# Altium PCB Fastino-DIOT.PCBDOC (part 1 of 22) (continued)
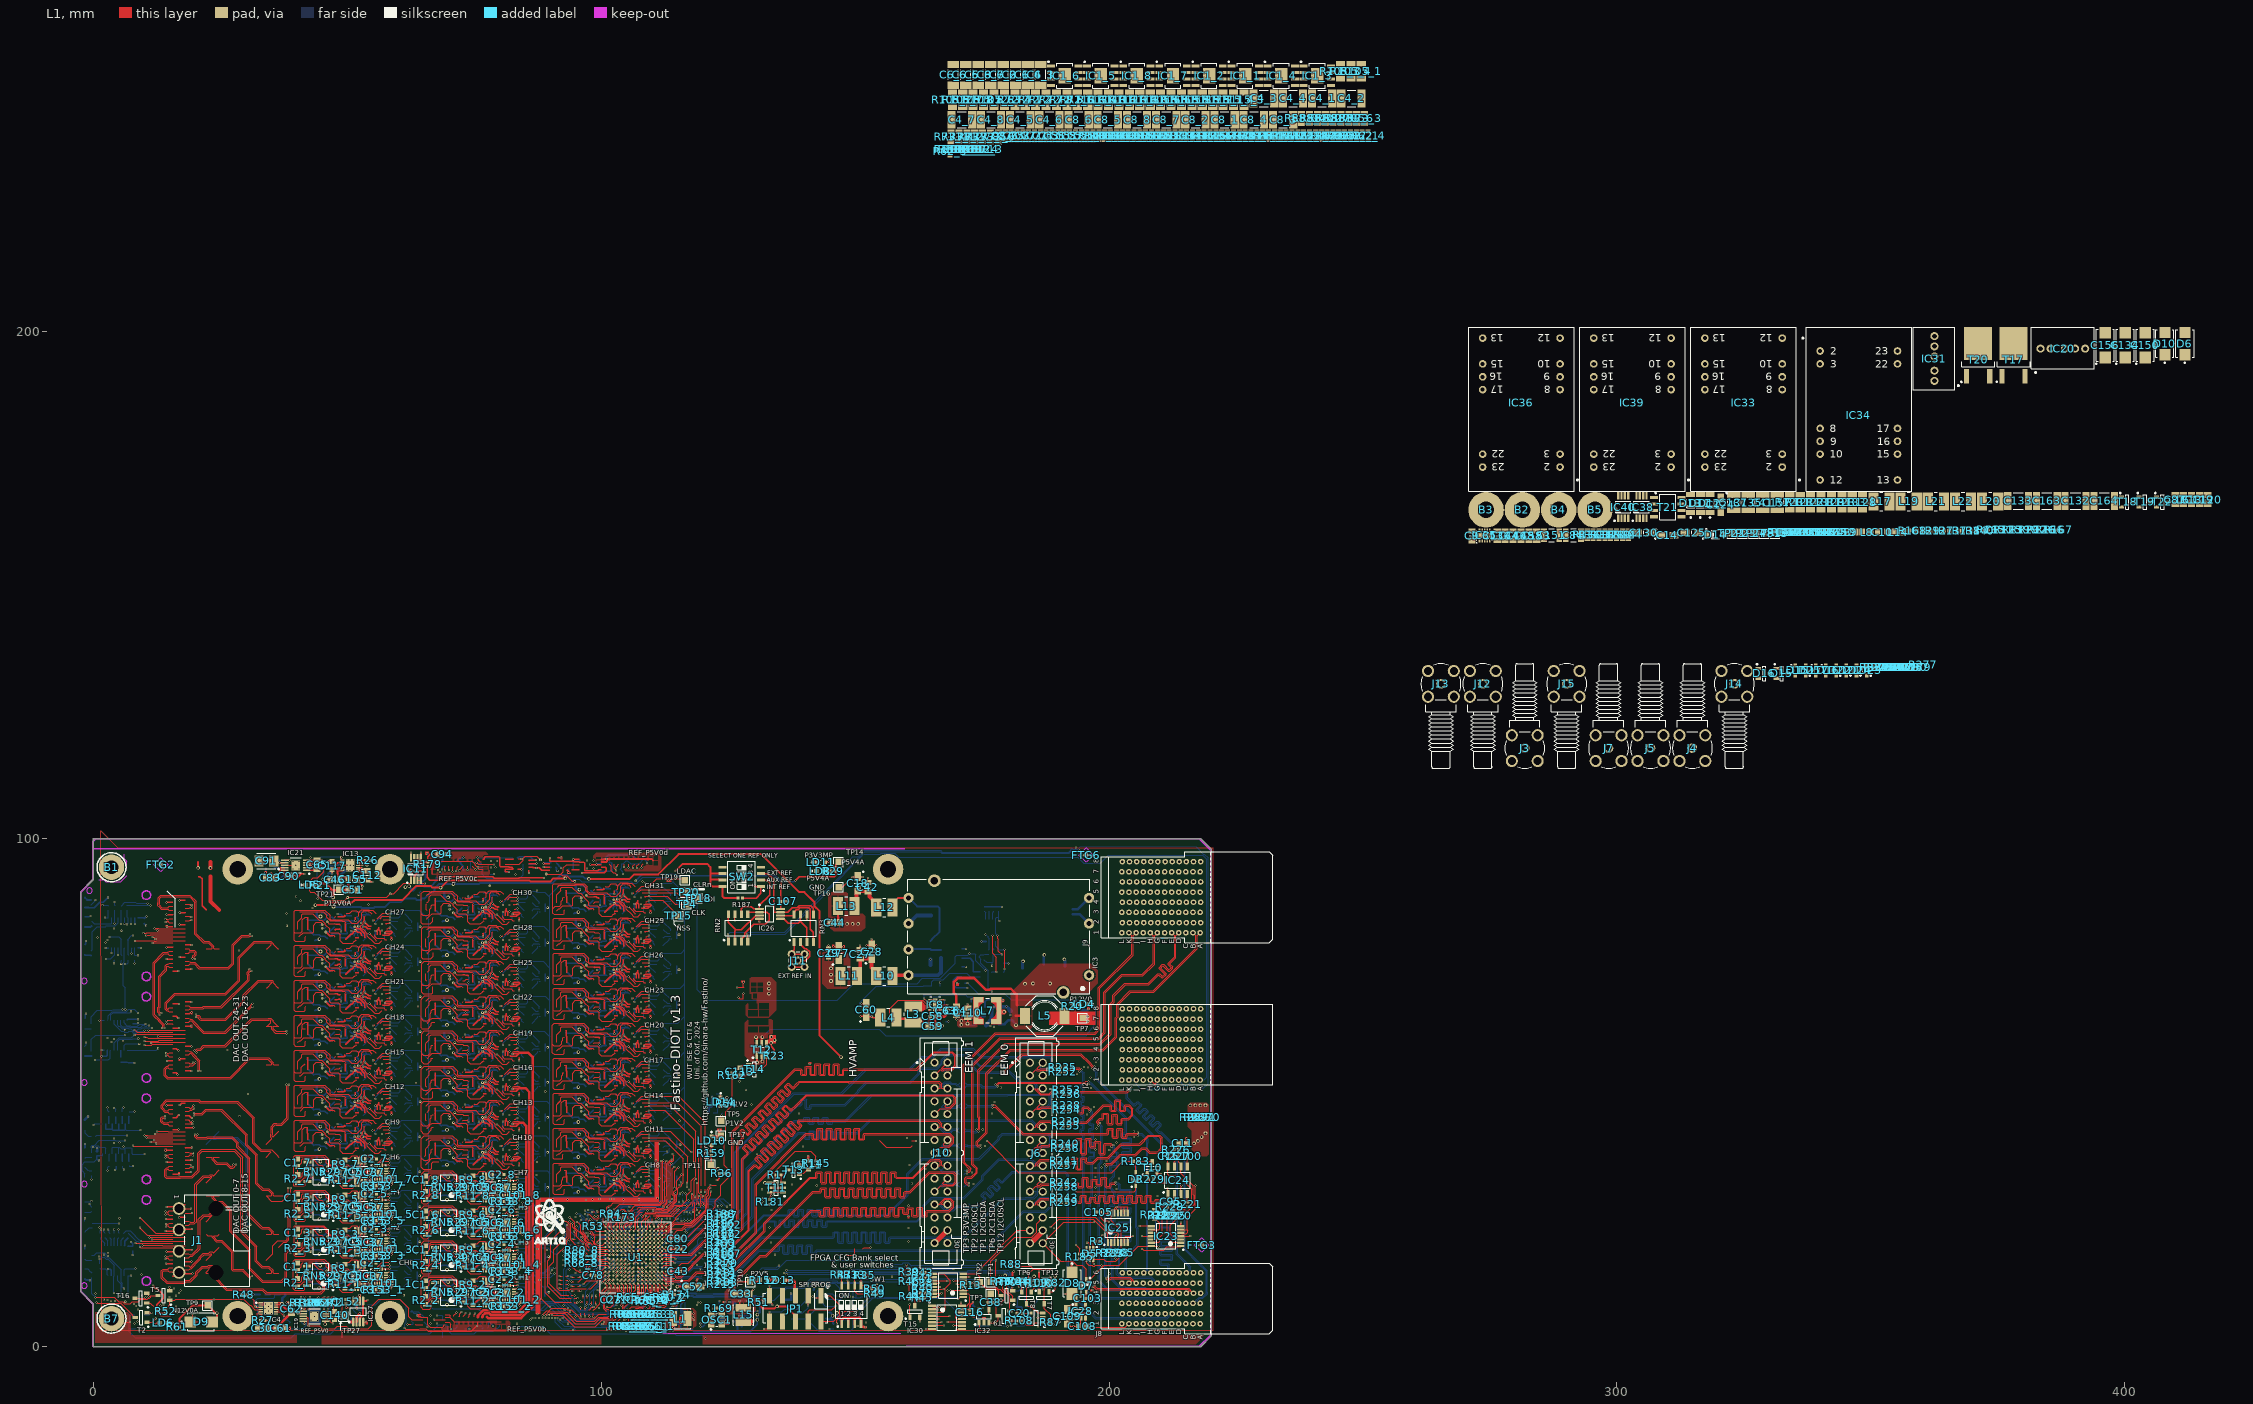
[diagram p0: L1 view]
## Classes and differential pairs
channel class HV_Amp_Discrete: U_HV_Amp_Discrete0 U_HV_Amp_Discrete1 U_HV_Amp_Discrete2 U_HV_Amp_Discrete3 U_HV_Amp_Discrete4 U_HV_Amp_Discrete5 U_HV_Amp_Discrete6 U_HV_Amp_Discrete7
net class OUT_CTRLn[7..0]: OUT_CTRLn0 OUT_CTRLn1 OUT_CTRLn2 OUT_CTRLn3 OUT_CTRLn4 OUT_CTRLn5 OUT_CTRLn6 OUT_CTRLn7
net class HV: HV_NEG HV_POS NetC4_1_2 NetC4_2_2 NetC4_3_2 NetC4_4_2 NetC4_5_2 NetC4_6_2 NetC4_7_2 NetC4_8_2 NetC6_1_1 NetC6_1_2 NetC6_2_1 NetC6_2_2 NetC6_3_1 NetC6_3_2 NetC6_4_1 NetC6_4_2 NetC6_5_1 NetC6_5_2 NetC6_6_1 NetC6_6_2 NetC6_7_1 NetC6_7_2 NetC6_8_1 NetC6_8_2 NetC8_1_2 NetC8_2_2 NetC8_3_2 NetC8_4_2 NetC8_5_2 NetC8_6_2 NetC8_7_2 NetC8_8_2 NetC125_1 NetC127_1 NetC136_1 NetC153_1 NetC158_1 NetC161_2 NetIC2_1_7 NetIC2_1_8 NetIC2_2_7 NetIC2_2_8 NetIC2_3_7 NetIC2_3_8 NetIC2_4_7 NetIC2_4_8 NetIC2_5_7 NetIC2_5_8 NetIC2_6_7 NetIC2_6_8 NetIC2_7_7 NetIC2_7_8 NetIC2_8_7 NetIC2_8_8 NetIC14_1_6 NetIC14_2_6 NetIC14_3_6 NetIC14_4_6 NetIC14_5_6 NetIC14_6_6 NetIC14_7_6 NetIC14_8_6 NetIC33_8 NetIC33_9 NetIC36_8 NetIC39_8 NetIC39_9 NetR115_1_2 NetR115_2_2 NetR115_3_2 NetR115_4_2 NetR115_5_2 NetR115_6_2 NetR115_7_2 NetR115_8_2 NetR121_2 NetR123_1 NetR128_2 NetR133_1
net class HVP: HV_POS NetC4_1_2 NetC4_2_2 NetC4_3_2 NetC4_4_2 NetC4_5_2 NetC4_6_2 NetC4_7_2 NetC4_8_2 NetC125_1 NetC127_1
net class HVO: OUT0 OUT1 OUT2 OUT3 OUT4 OUT5 OUT6 OUT7
net class HVN: HV_NEG NetC8_1_2 NetC8_2_2 NetC8_3_2 NetC8_4_2 NetC8_5_2 NetC8_6_2 NetC8_7_2 NetC8_8_2 NetC158_1 NetC161_2
component class U_HV_Amp_Discrete7: C4_8 C5_8 C6_8 C7_8 C8_8 IC1_8 IC2_8 IC14_8 R16_8 R34_8 R58_8 R62_8 R72_8 R73_8 R105_8 R106_8 R113_8 R114_8 R115_8 R116_8 R118_8
component class U_HV_Amp_Discrete6: C4_7 C5_7 C6_7 C7_7 C8_7 IC1_7 IC2_7 IC14_7 R16_7 R34_7 R58_7 R62_7 R72_7 R73_7 R105_7 R106_7 R113_7 R114_7 R115_7 R116_7 R118_7
component class U_HV_Amp_Discrete5: C4_6 C5_6 C6_6 C7_6 C8_6 IC1_6 IC2_6 IC14_6 R16_6 R34_6 R58_6 R62_6 R72_6 R73_6 R105_6 R106_6 R113_6 R114_6 R115_6 R116_6 R118_6
component class U_HV_Amp_Discrete4: C4_5 C5_5 C6_5 C7_5 C8_5 IC1_5 IC2_5 IC14_5 R16_5 R34_5 R58_5 R62_5 R72_5 R73_5 R105_5 R106_5 R113_5 R114_5 R115_5 R116_5 R118_5
component class U_HV_Amp_Discrete3: C4_4 C5_4 C6_4 C7_4 C8_4 IC1_4 IC2_4 IC14_4 R16_4 R34_4 R58_4 R62_4 R72_4 R73_4 R105_4 R106_4 R113_4 R114_4 R115_4 R116_4 R118_4
component class U_HV_Amp_Discrete2: C4_3 C5_3 C6_3 C7_3 C8_3 IC1_3 IC2_3 IC14_3 R16_3 R34_3 R58_3 R62_3 R72_3 R73_3 R105_3 R106_3 R113_3 R114_3 R115_3 R116_3 R118_3
component class U_HV_Amp_Discrete1: C4_2 C5_2 C6_2 C7_2 C8_2 IC1_2 IC2_2 IC14_2 R16_2 R34_2 R58_2 R62_2 R72_2 R73_2 R105_2 R106_2 R113_2 R114_2 R115_2 R116_2 R118_2
component class U_HV_Amp_Discrete0: C4_1 C5_1 C6_1 C7_1 C8_1 IC1_1 IC2_1 IC14_1 R16_1 R34_1 R58_1 R62_1 R72_1 R73_1 R105_1 R106_1 R113_1 R114_1 R115_1 R116_1 R118_1
net class AFE_IO_2V5_[15..0]: AFE_IO_2V5_0 AFE_IO_2V5_1 AFE_IO_2V5_2 AFE_IO_2V5_3 AFE_IO_2V5_4 AFE_IO_2V5_5 AFE_IO_2V5_6 AFE_IO_2V5_7 AFE_IO_2V5_8 AFE_IO_2V5_9 AFE_IO_2V5_10 AFE_IO_2V5_11 AFE_IO_2V5_12 AFE_IO_2V5_13 AFE_IO_2V5_14 AFE_IO_2V5_15
component class U_power_supplies: B2 B3 B4 B5 C9 C10 C13 C14 C41 C84 C87 C119 C120 C124 C125 C127 C128 C129 C130 C131 C132 C133 C134 C135 C136 C137 C144 C145 C146 C147 C148 C150 C151 C153 C156 C157 C158 C159 C163 C164 C169 D6 D10 D11 D12 D13 D14 IC20 IC31 IC33 IC34 IC35 IC36 IC38 IC39 IC40 J1 L6 L8 L9 L14 L17 L19 L20 L21 L22 LD2 LD3 LD7 LD9 LD12 R119 R120 R121 R122 R123 R124 R125 R126 R127 R128 R129 R130 R131 R132 R133 R134 R136 R137 R138 R139 R140 R141 R144 R146 R147 R148 R149 R150 R161 R163 R165 R166 R167 R168 R201 R202 R218 R219 R273 T17 T18 T19 T20 T21 T22 TP8 TP13 TP22 TP23 TP24
differential pair class Diff_100Ohm: BP_IO.LVDS0 BP_IO.LVDS1 BP_IO.LVDS2 BP_IO.LVDS3 BP_IO.LVDS4 BP_IO.LVDS5 BP_IO.LVDS6 BP_IO.LVDS7 BP_IO.LVDS8 BP_IO.LVDS9 BP_IO.LVDS10 BP_IO.LVDS11 BP_IO.LVDS12 BP_IO.LVDS13 BP_IO.LVDS14 BP_IO.LVDS15
net class PWR: P12V0_CPCIS
net class ESD_STRIP: CHASSIS STRIP2 STRIP3
net class BP_IO.LVDS_P[0..15]: BP_IO.LVDS_P0 BP_IO.LVDS_P1 BP_IO.LVDS_P2 BP_IO.LVDS_P3 BP_IO.LVDS_P4 BP_IO.LVDS_P5 BP_IO.LVDS_P6 BP_IO.LVDS_P7 BP_IO.LVDS_P8 BP_IO.LVDS_P9 BP_IO.LVDS_P10 BP_IO.LVDS_P11 BP_IO.LVDS_P12 BP_IO.LVDS_P13 BP_IO.LVDS_P14 BP_IO.LVDS_P15
net class BP_IO.LVDS_N[0..15]: BP_IO.LVDS_N0 BP_IO.LVDS_N1 BP_IO.LVDS_N2 BP_IO.LVDS_N3 BP_IO.LVDS_N4 BP_IO.LVDS_N5 BP_IO.LVDS_N6 BP_IO.LVDS_N7 BP_IO.LVDS_N8 BP_IO.LVDS_N9 BP_IO.LVDS_N10 BP_IO.LVDS_N11 BP_IO.LVDS_N12 BP_IO.LVDS_N13 BP_IO.LVDS_N14 BP_IO.LVDS_N15
component class U_Fastino_DIOT_Connectors_P1_P6: C11 C15 C95 C100 C103 C108 C109 D3 D5 D7 IC23 IC24 IC28 J2 J8 J9 R183 R185 R205 R220 R221 R222 R223 R224 R225 R226 R227 R228 R229 R298 T10
net class LVDS: BP_IO.LVDS_N0 BP_IO.LVDS_N1 BP_IO.LVDS_N2 BP_IO.LVDS_N3 BP_IO.LVDS_N4 BP_IO.LVDS_N5 BP_IO.LVDS_N6 BP_IO.LVDS_N7 BP_IO.LVDS_N8 BP_IO.LVDS_N9 BP_IO.LVDS_N10 BP_IO.LVDS_N11 BP_IO.LVDS_N12 BP_IO.LVDS_N13 BP_IO.LVDS_N14 BP_IO.LVDS_N15 BP_IO.LVDS_P0 BP_IO.LVDS_P1 BP_IO.LVDS_P2 BP_IO.LVDS_P3 BP_IO.LVDS_P4 BP_IO.LVDS_P5 BP_IO.LVDS_P6 BP_IO.LVDS_P7 BP_IO.LVDS_P8 BP_IO.LVDS_P9 BP_IO.LVDS_P10 BP_IO.LVDS_P11 BP_IO.LVDS_P12 BP_IO.LVDS_P13 BP_IO.LVDS_P14 BP_IO.LVDS_P15 EEM0_0_N EEM0_0_P EEM0_1_N EEM0_1_P EEM0_2_N EEM0_2_P EEM0_3_N EEM0_3_P EEM0_4_N EEM0_4_P EEM0_5_N EEM0_5_P EEM0_6_N EEM0_6_P EEM0_7_N EEM0_7_P EEM1_0_N EEM1_0_P EEM1_1_N EEM1_1_P EEM1_2_N EEM1_2_P EEM1_3_N EEM1_3_P EEM1_4_N EEM1_4_P EEM1_5_N EEM1_5_P EEM1_6_N EEM1_6_P EEM1_7_N EEM1_7_P
net class DAC_NSS[8..1]: DAC_NSS1 DAC_NSS2 DAC_NSS3 DAC_NSS4 DAC_NSS5 DAC_NSS6 DAC_NSS7 DAC_NSS8
net class DAC_MOSI[8..1]: DAC_MOSI1 DAC_MOSI2 DAC_MOSI3 DAC_MOSI4 DAC_MOSI5 DAC_MOSI6 DAC_MOSI7 DAC_MOSI8
net class DAC_LDACn[8..1]: DAC_LDACn1 DAC_LDACn2 DAC_LDACn3 DAC_LDACn4 DAC_LDACn5 DAC_LDACn6 DAC_LDACn7 DAC_LDACn8
net class DAC_CLK[8..1]: DAC_CLK1 DAC_CLK2 DAC_CLK3 DAC_CLK4 DAC_CLK5 DAC_CLK6 DAC_CLK7 DAC_CLK8
channel class Fastino_DAC_Series_Termination: DAC_Series_Termination1 DAC_Series_Termination2 DAC_Series_Termination3 DAC_Series_Termination4 DAC_Series_Termination5 DAC_Series_Termination6 DAC_Series_Termination7 DAC_Series_Termination8
component class DAC_Series_Termination8: R65_8 R66_8 R69_8 R80_8
component class DAC_Series_Termination7: R65_7 R66_7 R69_7 R80_7
component class DAC_Series_Termination6: R65_6 R66_6 R69_6 R80_6
component class DAC_Series_Termination5: R65_5 R66_5 R69_5 R80_5
component class DAC_Series_Termination4: R65_4 R66_4 R69_4 R80_4
component class DAC_Series_Termination3: R65_3 R66_3 R69_3 R80_3
component class DAC_Series_Termination2: R65_2 R66_2 R69_2 R80_2
component class DAC_Series_Termination1: R65_1 R66_1 R69_1 R80_1
net class "xtalk digital": DAC_CLK1 DAC_CLK2 DAC_CLK3 DAC_CLK4 DAC_CLK5 DAC_CLK6 DAC_CLK7 DAC_CLK8 DAC_LDACn1 DAC_LDACn2 DAC_LDACn3 DAC_LDACn4 DAC_LDACn5 DAC_LDACn6 DAC_LDACn7 DAC_LDACn8 DAC_MOSI1 DAC_MOSI2 DAC_MOSI3 DAC_MOSI4 DAC_MOSI5 DAC_MOSI6 DAC_MOSI7 DAC_MOSI8 DAC_NSS1 DAC_NSS2 DAC_NSS3 DAC_NSS4 DAC_NSS5 DAC_NSS6 DAC_NSS7 DAC_NSS8 DAC_SPI_CLRn NetC35_1_2 NetC35_2_2 NetC35_3_2 NetC35_4_2 NetC35_5_2 NetC35_6_2 NetC35_7_2 NetC35_8_2 NetC66_1_2 NetC66_2_2 NetC66_3_2 NetC66_4_2 NetC66_5_2 NetC66_6_2 NetC66_7_2 NetC66_8_2 NetC68_1_2 NetC68_2_2 NetC68_3_2 NetC68_4_2 NetC68_5_2 NetC68_6_2 NetC68_7_2 NetC68_8_2 NetC89_1_2 NetC89_2_2 NetC89_3_2 NetC89_4_2 NetC89_5_2 NetC89_6_2 NetC89_7_2 NetC89_8_2
net class "xtalk analogue": DAC_OUT_N1 DAC_OUT_N2 DAC_OUT_N3 DAC_OUT_N4 DAC_OUT_N5 DAC_OUT_N6 DAC_OUT_N7 DAC_OUT_N8 DAC_OUT_P1 DAC_OUT_P2 DAC_OUT_P3 DAC_OUT_P4 DAC_OUT_P5 DAC_OUT_P6 DAC_OUT_P7 DAC_OUT_P8 DAC_REF_P5V1 DAC_REF_P5V2 DAC_REF_P5V3 DAC_REF_P5V4 DAC_REF_P5V5 DAC_REF_P5V6 DAC_REF_P5V7 DAC_REF_P5V8 N12V0_CH_1 N12V0_CH_2 N12V0_CH_3 N12V0_CH_4 N12V0_CH_5 N12V0_CH_6 N12V0_CH_7 N12V0_CH_8 NetC1_1_1 NetC1_1_2 NetC1_2_1 NetC1_2_2 NetC1_3_1 NetC1_3_2 NetC1_4_1 NetC1_4_2 NetC1_5_1 NetC1_5_2 NetC1_6_1 NetC1_6_2 NetC1_7_1 NetC1_7_2 NetC1_8_1 NetC1_8_2 NetC2_1_1 NetC2_1_2 NetC2_2_1 NetC2_2_2 NetC2_3_1 NetC2_3_2 NetC2_4_1 NetC2_4_2 NetC2_5_1 NetC2_5_2 NetC2_6_1 NetC2_6_2 NetC2_7_1 NetC2_7_2 NetC2_8_1 NetC2_8_2 NetC3_1_1 NetC3_2_1 NetC3_3_1 NetC3_4_1 NetC3_5_1 NetC3_6_1 NetC3_7_1 NetC3_8_1 NetC106_1_2 NetC106_2_2 NetC106_3_2 NetC106_4_2 NetC106_5_2 NetC106_6_2 NetC106_7_2 NetC106_8_2 NetIC37_1_1 NetIC37_2_1 NetIC37_3_1 NetIC37_4_1 NetIC37_5_1 NetIC37_6_1 NetIC37_7_1 NetIC37_8_1 P12V0_CH_1 P12V0_CH_2 P12V0_CH_3 P12V0_CH_4 P12V0_CH_5 P12V0_CH_6 P12V0_CH_7 P12V0_CH_8
net class Hpower: N12V0A N13V0S P3V3_buck P12V0 P12V0_SW P12V0A P12V0F P13V0S
component class U_Fastino_FPGA: C85 OSC1 R36 R53 R94 R169 R173 R174 U1
net class DAC_SPI_SDI[32..1]: DAC_SPI_SDI1 DAC_SPI_SDI2 DAC_SPI_SDI3 DAC_SPI_SDI4 DAC_SPI_SDI5 DAC_SPI_SDI6 DAC_SPI_SDI7 DAC_SPI_SDI8 DAC_SPI_SDI9 DAC_SPI_SDI10 DAC_SPI_SDI11 DAC_SPI_SDI12 DAC_SPI_SDI13 DAC_SPI_SDI14 DAC_SPI_SDI15 DAC_SPI_SDI16 DAC_SPI_SDI17 DAC_SPI_SDI18 DAC_SPI_SDI19 DAC_SPI_SDI20 DAC_SPI_SDI21 DAC_SPI_SDI22 DAC_SPI_SDI23 DAC_SPI_SDI24 DAC_SPI_SDI25 DAC_SPI_SDI26 DAC_SPI_SDI27 DAC_SPI_SDI28 DAC_SPI_SDI29 DAC_SPI_SDI30 DAC_SPI_SDI31 DAC_SPI_SDI32
net class DAC_SPI_NSS[32..1]: DAC_SPI_NSS1 DAC_SPI_NSS2 DAC_SPI_NSS3 DAC_SPI_NSS4 DAC_SPI_NSS5 DAC_SPI_NSS6 DAC_SPI_NSS7 DAC_SPI_NSS8 DAC_SPI_NSS9 DAC_SPI_NSS10 DAC_SPI_NSS11 DAC_SPI_NSS12 DAC_SPI_NSS13 DAC_SPI_NSS14 DAC_SPI_NSS15 DAC_SPI_NSS16 DAC_SPI_NSS17 DAC_SPI_NSS18 DAC_SPI_NSS19 DAC_SPI_NSS20 DAC_SPI_NSS21 DAC_SPI_NSS22 DAC_SPI_NSS23 DAC_SPI_NSS24 DAC_SPI_NSS25 DAC_SPI_NSS26 DAC_SPI_NSS27 DAC_SPI_NSS28 DAC_SPI_NSS29 DAC_SPI_NSS30 DAC_SPI_NSS31 DAC_SPI_NSS32
net class DAC_SPI_LDACn[32..1]: DAC_SPI_LDACn1 DAC_SPI_LDACn2 DAC_SPI_LDACn3 DAC_SPI_LDACn4 DAC_SPI_LDACn5 DAC_SPI_LDACn6 DAC_SPI_LDACn7 DAC_SPI_LDACn8 DAC_SPI_LDACn9 DAC_SPI_LDACn10 DAC_SPI_LDACn11 DAC_SPI_LDACn12 DAC_SPI_LDACn13 DAC_SPI_LDACn14 DAC_SPI_LDACn15 DAC_SPI_LDACn16 DAC_SPI_LDACn17 DAC_SPI_LDACn18 DAC_SPI_LDACn19 DAC_SPI_LDACn20 DAC_SPI_LDACn21 DAC_SPI_LDACn22 DAC_SPI_LDACn23 DAC_SPI_LDACn24 DAC_SPI_LDACn25 DAC_SPI_LDACn26 DAC_SPI_LDACn27 DAC_SPI_LDACn28 DAC_SPI_LDACn29 DAC_SPI_LDACn30 DAC_SPI_LDACn31 DAC_SPI_LDACn32
net class DAC_SPI_CLK[32..1]: DAC_SPI_CLK1 DAC_SPI_CLK2 DAC_SPI_CLK3 DAC_SPI_CLK4 DAC_SPI_CLK5 DAC_SPI_CLK6 DAC_SPI_CLK7 DAC_SPI_CLK8 DAC_SPI_CLK9 DAC_SPI_CLK10 DAC_SPI_CLK11 DAC_SPI_CLK12 DAC_SPI_CLK13 DAC_SPI_CLK14 DAC_SPI_CLK15 DAC_SPI_CLK16 DAC_SPI_CLK17 DAC_SPI_CLK18 DAC_SPI_CLK19 DAC_SPI_CLK20 DAC_SPI_CLK21 DAC_SPI_CLK22 DAC_SPI_CLK23 DAC_SPI_CLK24 DAC_SPI_CLK25 DAC_SPI_CLK26 DAC_SPI_CLK27 DAC_SPI_CLK28 DAC_SPI_CLK29 DAC_SPI_CLK30 DAC_SPI_CLK31 DAC_SPI_CLK32
net class DAC_REF_P5V[8..1]: DAC_REF_P5V1 DAC_REF_P5V2 DAC_REF_P5V3 DAC_REF_P5V4 DAC_REF_P5V5 DAC_REF_P5V6 DAC_REF_P5V7 DAC_REF_P5V8
component class U_Fastino_References: C94 C107 C122 C126 C139 C140 C141 C149 C152 C167 IC11 IC12 IC19 IC26 IC27 J11 R1 R4 R5 R6 R10 R12 R14 R154 R155 R156 R157 R158 R179 R187 R272 RN2 RN3 SW2 TP27
component class FPGA_Supply: C16 C21 C22 C23 C24 C25 C31 C33 C37 C43 C50 C52 C53 C54 C55 C56 C57 C67 C70 C71 C72 C73 C74 C75 C76 C78 C79 C80 C115 HS1 R111 R112
channel class Fastino_DAC_channel: DAC_channel1 DAC_channel2 DAC_channel3 DAC_channel4 DAC_channel5 DAC_channel6 DAC_channel7 DAC_channel8
component class U_Fastino_FPGA_LVDS: C20 C38 C47 C105 D1 D2 IC7 IC9 IC15 IC16 IC25 IC32 J6 J10 LD19 LD20 R3 R30 R37 R59 R70 R71 R74 R75 R78 R79 R81 R82 R83 R84 R85 R86 R87 R88 R89 R90 R91 R92 R93 R95 R96 R97 R98 R99 R102 R107 R108 R109 R110 R172 R175 R176 R177 R178 R180 R182 R184 R186 R188 R189 R190 R191 R192 R193 R194 R195 R196 R197 R198 R199 R200 R203 R206 R207 R208 R209 R210 R211 R212 R213 R214 R215 R216 R217 R233 R235 R236 R238 R239 R240 R241 R242 R243 R244 R245 R246 R247 R248 R249 R250 R251 R252 R253 R254 R255 R256 R257 R258 R259 R260 R261 R262 R263 R264 R265 R266 R267 R268 R269 R270 R271 T6 T7 T8 T9 T16 TP1 TP2 TP3 TP6 TP12
net class DAC_OUT_P[8..1]: DAC_OUT_P1 DAC_OUT_P2 DAC_OUT_P3 DAC_OUT_P4 DAC_OUT_P5 DAC_OUT_P6 DAC_OUT_P7 DAC_OUT_P8
net class DAC_OUT_N[8..1]: DAC_OUT_N1 DAC_OUT_N2 DAC_OUT_N3 DAC_OUT_N4 DAC_OUT_N5 DAC_OUT_N6 DAC_OUT_N7 DAC_OUT_N8
component class U_Fastino_FPGA_Config: C17 C86 C88 C116 IC6 IC10 IC17 IC30 JP1 LD18 R13 R15 R31 R33 R35 R39 R40 R41 R42 R43 R44 R45 R46 R47 R49 R50 R60 R143 R204 SW1 T2 T15
component class Fastino-DIOT: B1 B7 B? C104 C170 D15 D16 FTG1 FTG2 FTG3 FTG4 FTG5 FTG6 J3 J4 J5 J7 J12 J13 J14 J15 LD15 LD16 LD17 LD21 LD22 LD23 LD24 LD25 R230 R231 R232 R274 R275 R276 R277 R278 R279 R280 R281 R282 R283 R284 R285 TP4 TP15 TP18 TP19 TP20
component class U_Fastino_Supply: C18 C19 C26 C27 C28 C29 C30 C32 C34 C36 C39 C40 C42 C44 C45 C46 C48 C49 C51 C58 C59 C60 C61 C62 C63 C64 C65 C69 C77 C81 C82 C83 C90 C91 C93 C96 C102 C110 C111 C112 C113 C114 C117 C118 C121 C123 C155 C257 C258 D4 D8 D9 IC3 IC4 IC8 IC13 IC18 IC21 IC22 IC29 L1 L3 L4 L5 L7 L10 L11 L12 L13 L15 LD1 LD4 LD5 LD6 LD8 LD10 LD11 LD13 LD14 R7 R8 R17 R18 R19 R20 R21 R22 R23 R24 R25 R26 R27 R28 R29 R32 R38 R48 R51 R52 R54 R55 R56 R57 R61 R63 R64 R68 R76 R77 R100 R101 R103 R104 R117 R135 R142 R145 R151 R152 R159 R160 R162 R181 R234 R237 R381 R382 T1 T3 T4 T5 T11 T12 T13 T14 TP5 TP7 TP9 TP10 TP11 TP14 TP16 TP17 TP21
component class DAC_channel8: C1_8 C2_8 C3_8 C12_8 C35_8 C66_8 C68_8 C89_8 C92_8 C97_8 C98_8 C99_8 C101_8 C106_8 C138_8 C142_8 C143_8 C154_8 D21_8 IC5_8 IC37_8 L2_8 L16_8 L18_8 R2_8 R9_8 R11_8 R67_8 R153_8 R164_8 R297_8 RN1_8 RN5_8
component class DAC_channel7: C1_7 C2_7 C3_7 C12_7 C35_7 C66_7 C68_7 C89_7 C92_7 C97_7 C98_7 C99_7 C101_7 C106_7 C138_7 C142_7 C143_7 C154_7 D21_7 IC5_7 IC37_7 L2_7 L16_7 L18_7 R2_7 R9_7 R11_7 R67_7 R153_7 R164_7 R297_7 RN1_7 RN5_7
component class DAC_channel6: C1_6 C2_6 C3_6 C12_6 C35_6 C66_6 C68_6 C89_6 C92_6 C97_6 C98_6 C99_6 C101_6 C106_6 C138_6 C142_6 C143_6 C154_6 D21_6 IC5_6 IC37_6 L2_6 L16_6 L18_6 R2_6 R9_6 R11_6 R67_6 R153_6 R164_6 R297_6 RN1_6 RN5_6
component class DAC_channel5: C1_5 C2_5 C3_5 C12_5 C35_5 C66_5 C68_5 C89_5 C92_5 C97_5 C98_5 C99_5 C101_5 C106_5 C138_5 C142_5 C143_5 C154_5 D21_5 IC5_5 IC37_5 L2_5 L16_5 L18_5 R2_5 R9_5 R11_5 R67_5 R153_5 R164_5 R297_5 RN1_5 RN5_5
component class DAC_channel4: C1_4 C2_4 C3_4 C12_4 C35_4 C66_4 C68_4 C89_4 C92_4 C97_4 C98_4 C99_4 C101_4 C106_4 C138_4 C142_4 C143_4 C154_4 D21_4 IC5_4 IC37_4 L2_4 L16_4 L18_4 R2_4 R9_4 R11_4 R67_4 R153_4 R164_4 R297_4 RN1_4 RN5_4
component class DAC_channel3: C1_3 C2_3 C3_3 C12_3 C35_3 C66_3 C68_3 C89_3 C92_3 C97_3 C98_3 C99_3 C101_3 C106_3 C138_3 C142_3 C143_3 C154_3 D21_3 IC5_3 IC37_3 L2_3 L16_3 L18_3 R2_3 R9_3 R11_3 R67_3 R153_3 R164_3 R297_3 RN1_3 RN5_3
component class DAC_channel2: C1_2 C2_2 C3_2 C12_2 C35_2 C66_2 C68_2 C89_2 C92_2 C97_2 C98_2 C99_2 C101_2 C106_2 C138_2 C142_2 C143_2 C154_2 D21_2 IC5_2 IC37_2 L2_2 L16_2 L18_2 R2_2 R9_2 R11_2 R67_2 R153_2 R164_2 R297_2 RN1_2 RN5_2
component class DAC_channel1: C1_1 C2_1 C3_1 C12_1 C35_1 C66_1 C68_1 C89_1 C92_1 C97_1 C98_1 C99_1 C101_1 C106_1 C138_1 C142_1 C143_1 C154_1 D21_1 IC5_1 IC37_1 L2_1 L16_1 L18_1 R2_1 R9_1 R11_1 R67_1 R153_1 R164_1 R297_1 RN1_1 RN5_1
differential pair BP_IO.LVDS15: +BP_IO.LVDS_P15 -BP_IO.LVDS_N15
differential pair BP_IO.LVDS14: +BP_IO.LVDS_P14 -BP_IO.LVDS_N14
differential pair BP_IO.LVDS13: +BP_IO.LVDS_P13 -BP_IO.LVDS_N13
differential pair BP_IO.LVDS12: +BP_IO.LVDS_P12 -BP_IO.LVDS_N12
differential pair BP_IO.LVDS11: +BP_IO.LVDS_P11 -BP_IO.LVDS_N11
differential pair BP_IO.LVDS10: +BP_IO.LVDS_P10 -BP_IO.LVDS_N10
differential pair BP_IO.LVDS9: +BP_IO.LVDS_P9 -BP_IO.LVDS_N9
differential pair BP_IO.LVDS8: +BP_IO.LVDS_P8 -BP_IO.LVDS_N8
differential pair BP_IO.LVDS7: +BP_IO.LVDS_P7 -BP_IO.LVDS_N7
differential pair BP_IO.LVDS6: +BP_IO.LVDS_P6 -BP_IO.LVDS_N6
differential pair BP_IO.LVDS5: +BP_IO.LVDS_P5 -BP_IO.LVDS_N5
differential pair BP_IO.LVDS4: +BP_IO.LVDS_P4 -BP_IO.LVDS_N4
differential pair BP_IO.LVDS3: +BP_IO.LVDS_P3 -BP_IO.LVDS_N3
differential pair BP_IO.LVDS2: +BP_IO.LVDS_P2 -BP_IO.LVDS_N2
differential pair BP_IO.LVDS1: +BP_IO.LVDS_P1 -BP_IO.LVDS_N1
differential pair BP_IO.LVDS0: +BP_IO.LVDS_P0 -BP_IO.LVDS_N0
differential pair EEMR1_7: +EEMR1_7_P -EEMR1_7_N
differential pair EEMR1_6: +EEMR1_6_P -EEMR1_6_N
differential pair EEMR1_5: +EEMR1_5_P -EEMR1_5_N
differential pair EEMR1_4: +EEMR1_4_P -EEMR1_4_N
differential pair EEMR1_3: +EEMR1_3_P -EEMR1_3_N
differential pair EEMR1_2: +EEMR1_2_P -EEMR1_2_N
differential pair EEMR1_1: +EEMR1_1_P -EEMR1_1_N
differential pair EEMR1_0: +EEMR1_0_P -EEMR1_0_N
differential pair EEMR0_7: +EEMR0_7_P -EEMR0_7_N
differential pair EEMR0_6: +EEMR0_6_P -EEMR0_6_N
differential pair EEMR0_5: +EEMR0_5_P -EEMR0_5_N
differential pair EEMR0_4: +EEMR0_4_P -EEMR0_4_N
differential pair EEMR0_3: +EEMR0_3_P -EEMR0_3_N
differential pair EEMR0_2: +EEMR0_2_P -EEMR0_2_N
differential pair EEMR0_1: +EEMR0_1_P -EEMR0_1_N
differential pair EEMR0_0: +EEMR0_0_P -EEMR0_0_N
differential pair DAC_OUT8: +DAC_OUT_P8 -DAC_OUT_N8
differential pair DAC_OUT7: +DAC_OUT_P7 -DAC_OUT_N7
differential pair DAC_OUT6: +DAC_OUT_P6 -DAC_OUT_N6
differential pair DAC_OUT5: +DAC_OUT_P5 -DAC_OUT_N5
differential pair DAC_OUT4: +DAC_OUT_P4 -DAC_OUT_N4
differential pair DAC_OUT3: +DAC_OUT_P3 -DAC_OUT_N3
differential pair DAC_OUT2: +DAC_OUT_P2 -DAC_OUT_N2
differential pair DAC_OUT1: +DAC_OUT_P1 -DAC_OUT_N1
differential pair EEM1_7: +EEM1_7_P -EEM1_7_N
differential pair EEM1_6: +EEM1_6_P -EEM1_6_N
differential pair EEM1_5: +EEM1_5_P -EEM1_5_N
differential pair EEM1_4: +EEM1_4_P -EEM1_4_N
differential pair EEM1_3: +EEM1_3_P -EEM1_3_N
differential pair EEM1_2: +EEM1_2_P -EEM1_2_N
differential pair EEM1_1: +EEM1_1_P -EEM1_1_N
differential pair EEM1_0: +EEM1_0_P -EEM1_0_N
differential pair EEM0_7: +EEM0_7_P -EEM0_7_N
differential pair EEM0_6: +EEM0_6_P -EEM0_6_N
differential pair EEM0_5: +EEM0_5_P -EEM0_5_N
differential pair EEM0_4: +EEM0_4_P -EEM0_4_N
differential pair EEM0_3: +EEM0_3_P -EEM0_3_N
differential pair EEM0_2: +EEM0_2_P -EEM0_2_N
differential pair EEM0_1: +EEM0_1_P -EEM0_1_N
differential pair EEM0_0: +EEM0_0_P -EEM0_0_N

## Components (designator, comment, footprint, x,y, rotation, side; value= is the part's Value field where it differs from the comment)
B1 "Plated Hole" MTG270_500 3.556,94.412 r0 top
B2 "Plated Hole" MTG320_700 281.416,164.787 r0 top
B3 "Plated Hole" MTG320_700 274.264,164.787 r0 top
B4 "Plated Hole" MTG320_700 288.569,164.787 r0 top
B5 "Plated Hole" MTG320_700 295.721,164.787 r0 top
B7 "Plated Hole" MTG270_500 3.556,5.512 r0 top
C1_1 "360pF" CAPC1608X90N 40.174,15.7 r90 top (schematic designator C1)
C1_2 "360pF" CAPC1608X90N 65.43,12.205 r90 top (schematic designator C1)
C1_3 "360pF" CAPC1608X90N 40.229,22.419 r90 top (schematic designator C1)
C1_4 "360pF" CAPC1608X90N 65.43,19.092 r90 top (schematic designator C1)
C1_5 "360pF" CAPC1608X90N 40.229,29.305 r90 top (schematic designator C1)
C1_6 "360pF" CAPC1608X90N 65.43,25.979 r90 top (schematic designator C1)
C1_7 "360pF" CAPC1608X90N 40.229,36.192 r90 top (schematic designator C1)
C1_8 "360pF" CAPC1608X90N 65.43,32.865 r90 top (schematic designator C1)
C2_1 "10pF" CAPC1005X55N 55.212,16.459 r0 top (schematic designator C2)
C2_2 "10pF" CAPC1005X55N 80.418,13.218 r0 top (schematic designator C2)
C2_3 "10pF" CAPC1005X55N 55.267,23.178 r0 top (schematic designator C2)
C2_4 "10pF" CAPC1005X55N 80.418,20.105 r0 top (schematic designator C2)
C2_5 "10pF" CAPC1005X55N 55.267,30.064 r0 top (schematic designator C2)
C2_6 "10pF" CAPC1005X55N 80.418,26.992 r0 top (schematic designator C2)
C2_7 "10pF" CAPC1005X55N 55.267,36.951 r0 top (schematic designator C2)
C2_8 "10pF" CAPC1005X55N 80.418,33.878 r0 top (schematic designator C2)
C3_1 "47pF" CAPC1005X55N 55.212,11.176 r0 top (schematic designator C3)
C3_2 "47pF" CAPC1005X55N 80.418,7.935 r0 top (schematic designator C3)
C3_3 "47pF" CAPC1005X55N 55.267,17.895 r0 top (schematic designator C3)
C3_4 "47pF" CAPC1005X55N 80.418,14.822 r0 top (schematic designator C3)
C3_5 "47pF" CAPC1005X55N 55.267,24.781 r0 top (schematic designator C3)
C3_6 "47pF" CAPC1005X55N 80.418,21.708 r0 top (schematic designator C3)
C3_7 "47pF" CAPC1005X55N 55.267,31.668 r0 top (schematic designator C3)
C3_8 "47pF" CAPC1005X55N 80.418,28.595 r0 top (schematic designator C3)
C4_1 "220nF" CAPC4532X165N 241.977,245.81 r0 top (schematic designator C4)
C4_2 "220nF" CAPC4532X165N 247.729,245.81 r0 top (schematic designator C4)
C4_3 "220nF" CAPC4532X165N 230.472,245.81 r0 top (schematic designator C4)
C4_4 "220nF" CAPC4532X165N 236.224,245.81 r0 top (schematic designator C4)
C4_5 "220nF" CAPC4532X165N 182.504,241.608 r0 top (schematic designator C4)
C4_6 "220nF" CAPC4532X165N 188.256,241.608 r0 top (schematic designator C4)
C4_7 "220nF" CAPC4532X165N 170.999,241.608 r0 top (schematic designator C4)
C4_8 "220nF" CAPC4532X165N 176.751,241.608 r0 top (schematic designator C4)
C5_1 "1uF" CAPC1608X87N 194.547,238.43 r90 top (schematic designator C5)
C5_2 "1uF" CAPC1608X87N 193.394,238.43 r90 top (schematic designator C5)
C5_3 "1uF" CAPC1608X87N 196.852,238.43 r90 top (schematic designator C5)
C5_4 "1uF" CAPC1608X87N 195.699,238.43 r90 top (schematic designator C5)
C5_5 "1uF" CAPC1608X87N 189.937,238.43 r90 top (schematic designator C5)
C5_6 "1uF" CAPC1608X87N 188.785,238.43 r90 top (schematic designator C5)
C5_7 "1uF" CAPC1608X87N 192.242,238.43 r90 top (schematic designator C5)
C5_8 "1uF" CAPC1608X87N 191.09,238.43 r90 top (schematic designator C5)
C6_1 "100pF" CAPC4620X203N 181.611,250.463 r90 top (schematic designator C6)
C6_2 "100pF" CAPC4620X203N 179.158,250.463 r90 top (schematic designator C6)
C6_3 "100pF" CAPC4620X203N 186.516,250.463 r90 top (schematic designator C6)
C6_4 "100pF" CAPC4620X203N 184.063,250.463 r90 top (schematic designator C6)
C6_5 "100pF" CAPC4620X203N 171.801,250.463 r90 top (schematic designator C6)
C6_6 "100pF" CAPC4620X203N 169.349,250.463 r90 top (schematic designator C6)
C6_7 "100pF" CAPC4620X203N 176.706,250.463 r90 top (schematic designator C6)
C6_8 "100pF" CAPC4620X203N 174.254,250.463 r90 top (schematic designator C6)
C7_1 "1uF" CAPC1608X87N 185.328,238.43 r90 top (schematic designator C7)
C7_2 "1uF" CAPC1608X87N 184.175,238.43 r90 top (schematic designator C7)
C7_3 "1uF" CAPC1608X87N 187.632,238.43 r90 top (schematic designator C7)
C7_4 "1uF" CAPC1608X87N 186.48,238.43 r90 top (schematic designator C7)
C7_5 "1uF" CAPC1608X87N 180.718,238.43 r90 top (schematic designator C7)
C7_6 "1uF" CAPC1608X87N 179.566,238.43 r90 top (schematic designator C7)
C7_7 "1uF" CAPC1608X87N 183.023,238.43 r90 top (schematic designator C7)
C7_8 "1uF" CAPC1608X87N 181.87,238.43 r90 top (schematic designator C7)
C8_1 "220nF" CAPC4532X165N 222.77,241.608 r0 top (schematic designator C8)
C8_2 "220nF" CAPC4532X165N 217.018,241.608 r0 top (schematic designator C8)
C8_3 "220nF" CAPC4532X165N 234.275,241.608 r0 top (schematic designator C8)
C8_4 "220nF" CAPC4532X165N 228.523,241.608 r0 top (schematic designator C8)
C8_5 "220nF" CAPC4532X165N 199.761,241.608 r0 top (schematic designator C8)
C8_6 "220nF" CAPC4532X165N 194.008,241.608 r0 top (schematic designator C8)
C8_7 "220nF" CAPC4532X165N 211.266,241.608 r0 top (schematic designator C8)
C8_8 "220nF" CAPC4532X165N 205.513,241.608 r0 top (schematic designator C8)
C9 "10uF" CAPC2012X145N 271.489,159.66 r270 top
C10 "10uF" CAPC2012X145N 352.3,160.41 r180 top
C11 "22uF" CAPC1608X90N 214.5,40 r180 top
C12_1 "10uF" CAPMP3216X180N 55.501,13.791 r0 bottom (schematic designator C12)
C12_2 "10uF" CAPMP3216X180N 80.706,10.55 r0 bottom (schematic designator C12)
C12_3 "10uF" CAPMP3216X180N 55.555,20.509 r0 bottom (schematic designator C12)
C12_4 "10uF" CAPMP3216X180N 80.706,17.436 r0 bottom (schematic designator C12)
C12_5 "10uF" CAPMP3216X180N 55.555,27.396 r0 bottom (schematic designator C12)
C12_6 "10uF" CAPMP3216X180N 80.706,24.323 r0 bottom (schematic designator C12)
C12_7 "10uF" CAPMP3216X180N 55.555,34.282 r0 bottom (schematic designator C12)
C12_8 "10uF" CAPMP3216X180N 80.706,31.21 r0 bottom (schematic designator C12)
C13 "10uF" CAPC2012X145N 413.185,166.812 r270 top
C14 "1uF" CAPMP3216X180N 309.982,159.81 r0 top
C15 "100nF" CAPC1005X55N 211.75,37.5 r270 top
C16 "100nF" CAPC1005X55N 108.294,24.1 r180 bottom
C17 "100nF" CAPC1005X55N 135.7,8.465 r270 bottom
C18 "10uF" CAPMP3216X180N 150.5,91.25 r270 top
C19 "10uF" CAPMP3216X180N 33.295,3.886 r0 bottom
C20 "100nF" CAPC1005X55N 182.392,6.516 r0 top
C21 "100nF" CAPC1005X55N 106.8,20.8 r270 bottom
C22 "100nF" CAPC1005X55N 115.2,19.2 r180 top
C23 "100nF" CAPC1005X55N 102,9.2 r90 top
C24 "100nF" CAPC1005X55N 106.3,16 r180 bottom
C25 "100nF" CAPC1005X55N 108.1,16 r0 bottom
C26 "22uF" CAPC2012X135N 164.811,74.218 r270 bottom
C27 "22uF" CAPC2012X135N 151,77.25 r270 top
C28 "10uF" CAPMP3216X180N 153.25,77.75 r90 top
C29 "1uF" CAPC1608X87N 144.75,77.5 r270 top
C30 "22uF" CAPC2012X135N 33.212,3.607 r0 top
C31 "100nF" CAPC1005X55N 106.8,14.4 r270 bottom
C32 "22uF" CAPC2012X135N 191.335,73.993 r270 bottom
C33 "10uF" CAPMP3216X180N 127.6,10.4 r0 top
C34 "22uF" CAPC2012X135N 184.949,73.641 r270 bottom
C35_1 "15pF" CAPC1608X87N 60.38,11.826 r0 bottom (schematic designator C35)
C35_2 "15pF" CAPC1608X87N 85.585,8.585 r0 bottom (schematic designator C35)
C35_3 "15pF" CAPC1608X87N 60.434,18.545 r0 bottom (schematic designator C35)
C35_4 "15pF" CAPC1608X87N 87.389,15.367 r0 bottom (schematic designator C35)
C35_5 "15pF" CAPC1608X87N 60.434,25.431 r0 bottom (schematic designator C35)
C35_6 "15pF" CAPC1608X87N 87.389,22.25 r0 bottom (schematic designator C35)
C35_7 "15pF" CAPC1608X87N 60.434,32.318 r0 bottom (schematic designator C35)
C35_8 "15pF" CAPC1608X87N 85.585,29.245 r0 bottom (schematic designator C35)
C36 "22uF" CAPC2012X135N 182.968,73.641 r270 bottom
C37 "10uF" CAPC1005X70N 106.8,12.5 r90 bottom
C38 "100nF" CAPC1005X55N 176.663,8.7 r180 top
C39 "22uF" CAPC2012X135N 189.318,73.945 r270 bottom
C40 "22uF" CAPC2012X135N 164.98,85.79 r90 bottom
C41 "47uF" CAPC3225X270N 328.765,166.212 r90 top
C42 "22uF" CAPC2012X135N 152.5,90.5 r270 top
C43 "100nF" CAPC1005X55N 115.15,14.8 r180 top
C44 "22uF" CAPC2012X135N 146,83.5 r0 top
C45 "10uF" CAPMP3216X180N 38.733,6.096 r270 bottom
C46 "22uF" CAPC2012X135N 47.563,91.973 r0 top
C47 "100nF" CAPC1005X55N 178.31,86.154 r270 bottom
C48 "22uF" CAPC2012X135N 194.462,65.303 r270 bottom
C49 "10uF" CAPMP3216X180N 187.159,73.993 r90 bottom
C50 "10uF" CAPC1005X70N 106.8,22.74 r90 bottom
C51 "22uF" CAPC2012X135N 51.04,89.941 r180 top
C52 "10uF" CAPMP3216X180N 118.102,11.826 r0 top
C53 "100pF" CAPC1005X55N 99.45,21.6 r0 bottom
C54 "100pF" CAPC1005X55N 103.3,24.1 r270 bottom
C55 "100nF" CAPC1005X55N 100.1,17.6 r0 bottom
C56 "100nF" CAPC1005X55N 106.8,18.8 r90 bottom
C57 "100nF" CAPC1005X55N 107.2,9.2 r90 top
C58 "100nF" CAPC1005X55N 165.257,65.011 r180 top
C59 "22uF" CAPC2012X135N 165.313,63.082 r180 top
C60 "10uF" CAPMP3216X180N 152.197,66.294 r90 top
C61 "22uF" CAPC2012X135N 36.841,3.632 r180 top
C62 "22uF" CAPC2012X135N 38.989,7.482 r270 top
C63 "100nF" CAPC1005X55N 167.938,66.132 r90 top
C64 "22uF" CAPC2012X135N 169.94,66.174 r90 top
C65 "22uF" CAPC2012X135N 44.028,94.93 r270 top
C66_1 "15pF" CAPC1608X87N 60.38,13.375 r0 bottom (schematic designator C66)
C66_2 "15pF" CAPC1608X87N 85.585,10.135 r0 bottom (schematic designator C66)
C66_3 "15pF" CAPC1608X87N 60.434,20.094 r0 bottom (schematic designator C66)
C66_4 "15pF" CAPC1608X87N 85.585,17.021 r0 bottom (schematic designator C66)
C66_5 "15pF" CAPC1608X87N 60.434,26.981 r0 bottom (schematic designator C66)
C66_6 "15pF" CAPC1608X87N 85.585,23.908 r0 bottom (schematic designator C66)
C66_7 "15pF" CAPC1608X87N 60.434,33.867 r0 bottom (schematic designator C66)
C66_8 "15pF" CAPC1608X87N 85.585,30.794 r0 bottom (schematic designator C66)
C67 "100nF" CAPC1005X55N 112.8,22.4 r180 bottom
C68_1 "15pF" CAPC1608X87N 60.38,14.925 r0 bottom (schematic designator C68)
C68_2 "15pF" CAPC1608X87N 85.585,11.684 r0 bottom (schematic designator C68)
C68_3 "15pF" CAPC1608X87N 60.434,21.643 r0 bottom (schematic designator C68)
C68_4 "15pF" CAPC1608X87N 85.585,18.571 r0 bottom (schematic designator C68)
C68_5 "15pF" CAPC1608X87N 60.434,28.53 r0 bottom (schematic designator C68)
C68_6 "15pF" CAPC1608X87N 85.585,25.457 r0 bottom (schematic designator C68)
C68_7 "15pF" CAPC1608X87N 60.434,35.416 r0 bottom (schematic designator C68)
C68_8 "15pF" CAPC1608X87N 85.585,32.344 r0 bottom (schematic designator C68)
C69 "1uF" CAPC1608X87N 166.761,70.113 r270 bottom
C70 "100nF" CAPC1005X55N 111.2,9.15 r90 top
C71 "100nF" CAPC1005X55N 103.2,9.2 r90 top
C72 "10uF" CAPC2012X135N 115.919,19.838 r180 bottom
C73 "10uF" CAPMP3216X180N 120.5,5.75 r270 bottom
C74 "100pF" CAPC1005X55N 102,8.3 r90 bottom
C75 "100nF" CAPC1005X55N 105.6,17.6 r180 bottom
C76 "100nF" CAPC1005X55N 109.733,17.618 r180 bottom
C77 "10uF" CAPMP3216X180N 146.75,77.5 r90 top
C78 "100nF" CAPC1005X55N 98.4,14 r0 top
C79 "100nF" CAPC1005X55N 107.925,17.601 r0 bottom
C80 "100nF" CAPC1005X55N 115.075,21.282 r180 top
C81 "1uF" CAPC1005X55N 113.5,5.5 r90 bottom
C82 "10uF" CAPC2012X135N 116.75,8 r180 bottom
C83 "22uF" CAPC2012X135N 34.8,92.321 r0 top
C84 "47uF" CAPC3225X270N 291.459,159.785 r180 top
C85 "100nF" CAPC1005X55N 122.71,5.325 r180 bottom
C86 "100nF" CAPC1005X55N 145.75,4 r90 bottom
C87 "10uF" CAPC2012X145N 409.98,166.812 r270 top
C88 "100nF" CAPC1005X55N 163.347,12.548 r0 top
C89_1 "15pF" CAPC1608X87N 60.38,16.474 r0 bottom (schematic designator C89)
C89_2 "15pF" CAPC1608X87N 85.585,13.233 r0 bottom (schematic designator C89)
C89_3 "15pF" CAPC1608X87N 60.434,23.193 r0 bottom (schematic designator C89)
C89_4 "15pF" CAPC1608X87N 85.585,20.12 r0 bottom (schematic designator C89)
C89_5 "15pF" CAPC1608X87N 60.434,30.079 r0 bottom (schematic designator C89)
C89_6 "15pF" CAPC1608X87N 85.585,27.007 r0 bottom (schematic designator C89)
C89_7 "15pF" CAPC1608X87N 60.434,36.966 r0 bottom (schematic designator C89)
C89_8 "15pF" CAPC1608X87N 85.585,33.893 r0 bottom (schematic designator C89)
C90 "100nF" CAPC1005X55N 38.413,92.621 r180 top
C91 "22uF" CAPMP3528X210N 34.05,95.628 r180 top
C92_1 "100nF" CAPC1005X55N 50.038,12.261 r90 bottom (schematic designator C92)
C92_2 "100nF" CAPC1005X55N 75.244,9.02 r90 bottom (schematic designator C92)
C92_3 "100nF" CAPC1005X55N 50.093,18.98 r90 bottom (schematic designator C92)
C92_4 "100nF" CAPC1005X55N 75.244,15.907 r90 bottom (schematic designator C92)
C92_5 "100nF" CAPC1005X55N 50.093,25.866 r90 bottom (schematic designator C92)
C92_6 "100nF" CAPC1005X55N 75.244,22.793 r90 bottom (schematic designator C92)
C92_7 "100nF" CAPC1005X55N 50.093,32.753 r90 bottom (schematic designator C92)
C92_8 "100nF" CAPC1005X55N 75.244,29.68 r90 bottom (schematic designator C92)
C93 "100nF" CAPC1005X55N 177.805,63.509 r0 bottom
C94 "1uF" CAPC1608X87N 68.675,96.925 r180 top
C95 "1uF" CAPC1005X55N 212.2,28.5 r0 top
C96 "22uF" CAPC2012X135N 34.825,92.3 r0 bottom
C97_1 "10uF" CAPMP3216X180N 47.112,11.557 r180 bottom (schematic designator C97)
C97_2 "10uF" CAPMP3216X180N 72.318,8.316 r180 bottom (schematic designator C97)
C97_3 "10uF" CAPMP3216X180N 47.167,18.276 r180 bottom (schematic designator C97)
C97_4 "10uF" CAPMP3216X180N 72.318,15.203 r180 bottom (schematic designator C97)
C97_5 "10uF" CAPMP3216X180N 47.167,25.162 r180 bottom (schematic designator C97)
C97_6 "10uF" CAPMP3216X180N 72.318,22.089 r180 bottom (schematic designator C97)
C97_7 "10uF" CAPMP3216X180N 47.167,32.049 r180 bottom (schematic designator C97)
C97_8 "10uF" CAPMP3216X180N 72.318,28.976 r180 bottom (schematic designator C97)
C98_1 "10uF" CAPMP3216X180N 47.849,15.9 r0 bottom (schematic designator C98)
C98_2 "10uF" CAPMP3216X180N 73.055,12.66 r0 bottom (schematic designator C98)
C98_3 "10uF" CAPMP3216X180N 47.904,22.619 r0 bottom (schematic designator C98)
C98_4 "10uF" CAPMP3216X180N 73.055,19.546 r0 bottom (schematic designator C98)
C98_5 "10uF" CAPMP3216X180N 47.904,29.506 r0 bottom (schematic designator C98)
C98_6 "10uF" CAPMP3216X180N 73.055,26.433 r0 bottom (schematic designator C98)
C98_7 "10uF" CAPMP3216X180N 47.904,36.392 r0 bottom (schematic designator C98)
C98_8 "10uF" CAPMP3216X180N 73.055,33.319 r0 bottom (schematic designator C98)
C99_1 "10uF" CAPMP3216X180N 55.714,16.144 r0 bottom (schematic designator C99)
C99_2 "10uF" CAPMP3216X180N 80.92,12.903 r0 bottom (schematic designator C99)
C99_3 "10uF" CAPMP3216X180N 55.769,22.863 r0 bottom (schematic designator C99)
C99_4 "10uF" CAPMP3216X180N 80.92,19.79 r0 bottom (schematic designator C99)
C99_5 "10uF" CAPMP3216X180N 55.769,29.749 r0 bottom (schematic designator C99)
C99_6 "10uF" CAPMP3216X180N 80.92,26.676 r0 bottom (schematic designator C99)
C99_7 "10uF" CAPMP3216X180N 55.769,36.636 r0 bottom (schematic designator C99)
C99_8 "10uF" CAPMP3216X180N 80.92,33.563 r0 bottom (schematic designator C99)
C100 "100nF" CAPC1005X55N 215.5,37.5 r270 top
C101_1 "100nF" CAPC1005X55N 58.767,12.428 r90 top (schematic designator C101)
C101_2 "100nF" CAPC1005X55N 83.972,9.188 r90 top (schematic designator C101)
C101_3 "100nF" CAPC1005X55N 58.821,19.147 r90 top (schematic designator C101)
C101_4 "100nF" CAPC1005X55N 83.972,16.074 r90 top (schematic designator C101)
C101_5 "100nF" CAPC1005X55N 58.821,26.034 r90 top (schematic designator C101)
C101_6 "100nF" CAPC1005X55N 83.972,22.961 r90 top (schematic designator C101)
C101_7 "100nF" CAPC1005X55N 58.821,32.92 r90 top (schematic designator C101)
C101_8 "100nF" CAPC1005X55N 83.972,29.847 r90 top (schematic designator C101)
C102 "100nF" CAPC1005X55N 177.106,68.366 r0 bottom
C103 "100nF" CAPC1005X55N 195.8,9.5 r180 top
C104 "22pF" CAPC1005X55N 8.839,3.658 r0 bottom
C105 "100nF" CAPC1005X55N 198,26.5 r0 top
C106_1 "100pF" CAPC1608X90N 49.75,13.96 r0 bottom (schematic designator C106)
C106_2 "100pF" CAPC1608X90N 74.955,10.719 r0 bottom (schematic designator C106)
C106_3 "100pF" CAPC1608X90N 49.804,20.678 r0 bottom (schematic designator C106)
C106_4 "100pF" CAPC1608X90N 74.955,17.605 r0 bottom (schematic designator C106)
C106_5 "100pF" CAPC1608X90N 49.804,27.565 r0 bottom (schematic designator C106)
C106_6 "100pF" CAPC1608X90N 74.955,24.492 r0 bottom (schematic designator C106)
C106_7 "100pF" CAPC1608X90N 49.804,34.451 r0 bottom (schematic designator C106)
C106_8 "100pF" CAPC1608X90N 74.955,31.379 r0 bottom (schematic designator C106)
C107 "100nF" CAPC1005X55N 135.832,87.681 r180 top
C108 "1uF" CAPC1608X87N 194.75,4 r0 top
C109 "10uF" CAPMP3216X180N 191.75,6 r270 top
C110 "22uF" CAPC2012X135N 172.171,65.741 r270 top
C111 "1uF" CAPC1608X87N 140.8,35.8 r270 top
C112 "22uF" CAPC2012X135N 53.906,92.829 r90 top
C113 "1uF" CAPC1608X87N 127.3,54.1 r90 top
C114 "1uF" CAPC1608X87N 130,13 r90 bottom
C115 "100nF" CAPC1005X55N 103.1,25.7 r180 bottom
C116 "100nF" CAPC1005X55N 172.593,6.764 r90 top
C117 "1uF" CAPC1608X87N 46.985,94.727 r90 top
C118 "10uF" CAPMP3216X180N 48.597,93.767 r270 bottom
C119 "10uF" CAPC2012X145N 414.788,166.812 r90 top
C120 "10uF" CAPC2012X145N 416.39,166.812 r90 top
C121 "22uF" CAPC2012X135N 174.871,63.216 r180 bottom
C122 "100nF" CAPC1005X55N 41.432,6.787 r180 bottom
C123 "22uF" CAPC2012X135N 180.696,65.191 r270 bottom
C124 "1uF" CAPMP3216X180N 320.509,165.813 r270 top
C125 "4.7uF" CAPMP3216X180N 314.759,160.286 r180 top
C126 "100nF" CAPC1005X55N 51.511,4.648 r0 bottom
C127 "4.7uF" CAPC1005X55N 334.117,160.375 r90 top
C128 "4.7uF" CAPC1608X80N 298.796,159.885 r270 top